# Altium PCB STM32G4_V1.PcbDoc
Units mil, origin at the board's own origin, x right, y up, seen from the top; angles counter-clockwise.
Board outline 2090 x 1925 mil, 2 copper layers (Top Layer, Bottom Layer), stack 5.6 mil thick; 53 components, 37 nets, 207 pads, 91 vias.
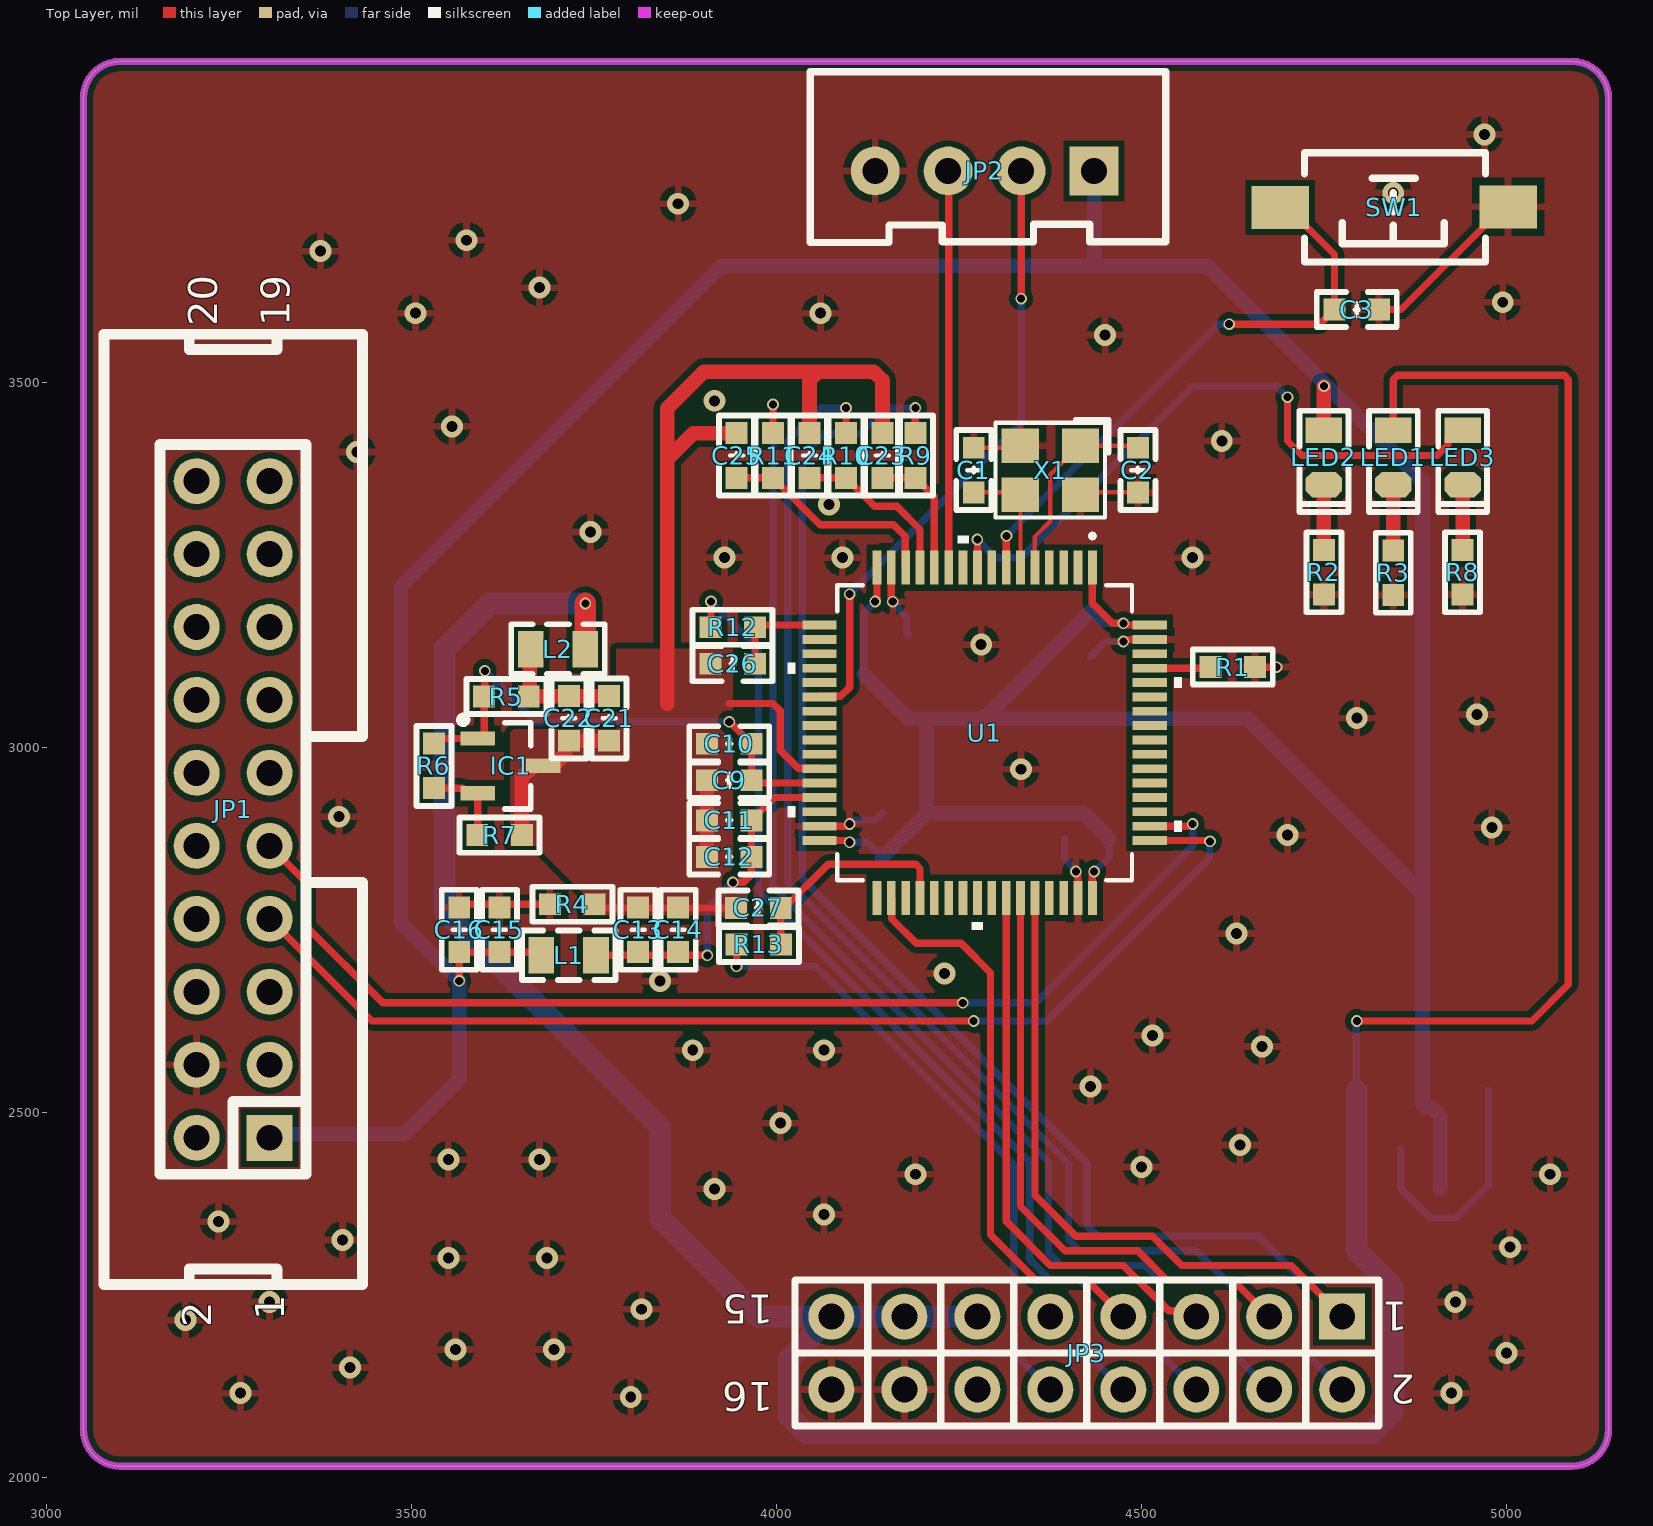
[diagram p0: Top Layer view]
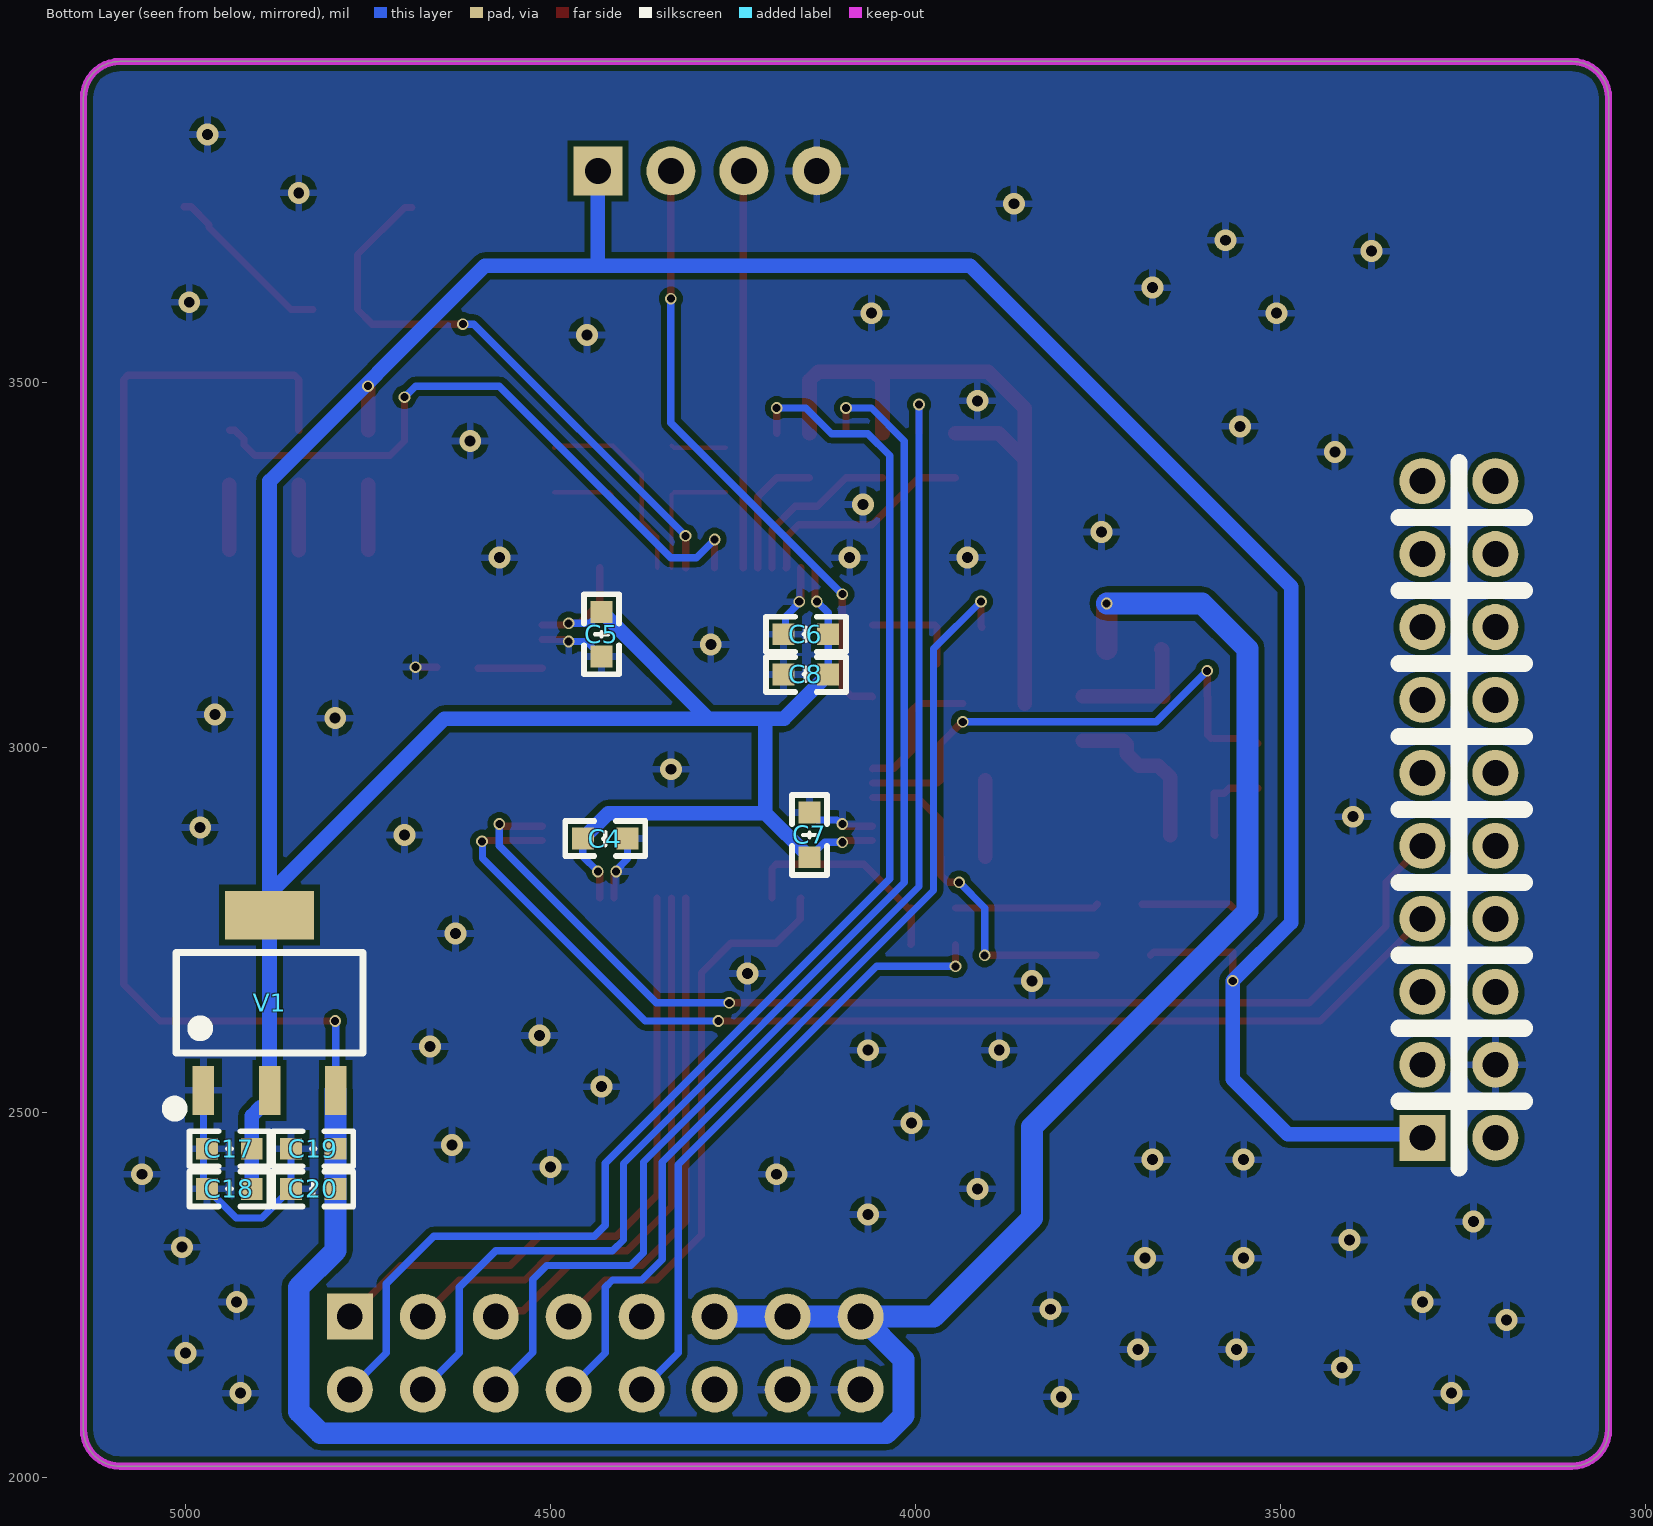
[diagram p1: Bottom Layer view, seen from below]

## Layer stack, top to bottom
Top Solder: solder mask 0.4, Solder Resist, Dk 3.5
Top Layer: signal copper 1.4
Dielectric 2: prepreg 2.8, PP-006, Dk 4.1
Bottom Layer: signal copper 1.4
Bottom Solder: solder mask 0.4, Solder Resist, Dk 3.5

## Board outline
3050,2065 3050,3890 cw(c3100,3890) 3100,3940 5090,3940 cw(c5090,3890) 5140,3890 5140,2065 cw(c5090,2065) 5090,2015 3100,2015 cw(c3100,2065)

## Design rules (kind name [scope] priority, off if disabled: settings)
Clearance [All] p1: gap=8 ignorepadtopadclearanceinfootprint=FALSE except(5: SMDPad-SMDPad)
ComponentClearance [All] p1: gap=0 collisioncheckmode=3 verticalgap=0 showdistances=FALSE
PlaneConnect PlaneConnect_1 [InNet('PGND') or  InNet('SW')] p1: planeconnectstyle=Direct reliefexpansion=20 reliefentries=4 reliefconductorwidth=10 reliefairgap=10
PlaneConnect [InNet('DGND')] p2: planeconnectstyle=Relief reliefexpansion=20 reliefentries=4 reliefconductorwidth=10 reliefairgap=10
PolygonConnect PolygonConnect_1 [InNet('DGND')] p1: connectstyle=Relief reliefconductorwidth=10 reliefentries=4 polygonreliefangle="90 Angle" airgapwidth=10
PolygonConnect [All] p2: connectstyle=Direct reliefconductorwidth=10 reliefentries=4 polygonreliefangle="90 Angle" airgapwidth=10
RoutingVias [All] p1: holewidth=10 width=20 viastyle="Through Hole" minholewidth=5 minwidth=10 maxholewidth=30 maxwidth=50
SolderMaskExpansion [All] p1: expansion=4 istentingtop=FALSE
Width [All] p1: maxlimit=50 minlimit=5 preferedwidth=10 minimp=50.000000 maximp=50.000000 favimp=50.000000
28 further rules are at their usual default settings.

## Components (designator, comment, footprint, x,y, rotation, side; value= is the part's Value field where it differs from the comment)
C1 "12p" "C 0603_L" 4270,3380 r270 top
C2 "12p" "C 0603_L" 4495,3380 r270 top
C3 "100n" "C 0603_L" 4795,3600 r0 top
C4 "100n" "C 0603_L" 4425,2875 r180 bottom
C5 "100n" "C 0603_L" 4430,3155 r270 bottom
C6 "100n" "C 0603_L" 4150,3155 r0 bottom
C7 "100n" "C 0603_L" 4145,2880 r90 bottom
C8 "4.7u" "C 0603_L" 4150,3100 r0 bottom
C9 "100n" "C 0603_L" 3935,2955 r180 top
C10 "1u" "C 0603_L" 3935,3005 r180 top
C11 "10n" "C 0603_L" 3935,2900 r180 top
C12 "1u" "C 0603_L" 3935,2850 r180 top
C13 "100n" "C 0603_L" 3810,2750 r90 top
C14 "1u" "C 0603_L" 3865,2750 r90 top
C15 "100n" "C 0603_L" 3620,2750 r90 top
C16 "1u" "C 0603_L" 3565,2750 r90 top
C17 "100n" "C 0603_L" 4940,2450 r0 bottom
C18 "1u" "C 0603_L" 4940,2395 r0 bottom
C19 "100n" "C 0603_L" 4825,2450 r0 bottom
C20 "1u" "C 0603_L" 4825,2395 r0 bottom
C21 "100n" "C 0603_L" 3770.3,3039.71 r270 top
C22 "1u" "C 0603_L" 3715.3,3039.7 r270 top
C23 "1u" "C 0603_L" 4145,3400 r90 top
C24 "1u" "C 0603_L" 4045,3400 r90 top
C25 "1u" "C 0603_L" 3945,3400 r90 top
C26 "1u" "C 0603_L" 3939.65,3114.66 r180 top
C27 "1u" "C 0603_L" 3975,2780 r180 top
IC1 "TL431" SOT23-3N 3635.3,2974.7 r270 top
JP1 "Header 2X10" IDC2.54-LI-2x10P 3305,2465 r90 top
JP2 "HDR-1X4" XH2.54-LI-4P 4285,3790 r180 top
JP3 "Header 8X2" HDR2.54-LI-2x8P 4425,2170 r180 top
L1 "600R@100MHZ/0805" "L 0805_L" 3715,2715 r0 top
L2 "600R@100MHZ/0805" "L 0805_L" 3700.3,3134.7 r180 top
LED1 "红色" "LED 0805G" 4845,3397.4 r270 top
LED2 "红色" "LED 0805G" 4750,3397.4 r270 top
LED3 "红色" "LED 0805G" 4940,3397.4 r270 top
R1 "10k" "R 0603_L" 4625,3110 r0 top
R2 "1K" "R 0603_L" 4750,3240 r90 top
R3 "1K" "R 0603_L" 4845,3239.41 r90 top
R4 "0" "R 0603_L" 3720,2785 r180 top
R5 "200" "R 0603_L" 3629.7,3069.7 r0 top
R6 "200" "R 0603_L" 3530.3,2974.7 r90 top
R7 "1K" "R 0603_L" 3620.3,2879.7 r180 top
R8 "1K" "R 0603_L" 4940,3240 r90 top
R9 "1K" "R 0603_L" 4190,3400 r90 top
R10 "1K" "R 0603_L" 4095,3400 r90 top
R11 "1K" "R 0603_L" 3995,3400 r90 top
R12 "1K" "R 0603_L" 3939.65,3164.66 r180 top
R13 "1K" "R 0603_L" 3975.59,2730 r180 top
SW1 "3x6x5" "TSW SMD-3*6*2.5" 4845,3740 r180 top
U1 "STM32G474RET6" LQFP64-10x10mm 4285,3020 r270 top
V1 "AMS1117-3V3" SOT223_L 4885,2650 r180 bottom
X1 "80M" "OSC 3225-4P" 4375,3380 r180 top

## Footprints (in the part's own frame and the unit in brackets; to place one, negate y for a bottom-side part, rotate by r counter-clockwise, add the part's x,y. Pads: shape width x height; smd on the part's side, far side on the other; paste and mask are expansions set on the pad)
"C 0603_L" [mil] "无极性贴片电容"
  rect 30x30 smd: 1(-30.59,0) 2(30.59,0)
  silkscreen extent -55,-24 55,24, body extent -31,-16 31,16, height 32
HDR2.54-LI-2x8P [mm] "双排排针，8x2脚"
  rect 1.6x1.6 hole 0.9: 1(-8.89,-1.27)
  round 1.6 hole 0.9: 2(-8.89,1.27) 3(-6.35,-1.27) 4(-6.35,1.27) 5(-3.81,-1.27) 6(-3.81,1.27) 7(-1.27,-1.27) 8(-1.27,1.27) 9(1.27,-1.27) 10(1.27,1.27) 11(3.81,-1.27) 12(3.81,1.27) 13(6.35,-1.27) 14(6.35,1.27) 15(8.89,-1.27) 16(8.89,1.27)
  silkscreen extent -10.16,-2.54 10.16,2.54, body extent -10.16,-2.54 10.16,2.54, height 8.5
IDC2.54-LI-2x10P [mm] "20P简易牛角座"
  rect 1.6x1.6 hole 0.9: 1(0,0)
  round 1.6 hole 0.9: 2(0,2.54) 3(2.54,0) 4(2.54,2.54) 5(5.08,0) 6(5.08,2.54) 7(7.62,0) 8(7.62,2.54) 9(10.16,0) 10(10.16,2.54) 11(12.7,0) 12(12.7,2.54) 13(15.24,0) 14(15.24,2.54) 15(17.78,0) 16(17.78,2.54) 17(20.32,0) 18(20.32,2.54) 19(22.86,0) 20(22.86,2.54)
  silkscreen extent -5.11,-3.23 27.97,5.77, body extent -5.08,-3.08 27.94,5.77, height 9.17
"L 0805_L" [mil] "小功率贴片电感"
  rect 35x50 smd: 1(-37.4,0) 2(37.4,0)
  silkscreen extent -64,-34 64,34, body extent -39,-24 39,24, height 35
"LED 0805G" [mil] "绿色0805LED"
  rect 35x50 smd: 1(-37.4,0)
  oct 35x50 smd: 2(37.4,0)
  silkscreen extent -64,-33 75,33, body extent -39,-25 39,25, height 32
LQFP64-10x10mm [mil]
  rect 47x12 smd paste+0 mask+0: 1(-226.38,147.64) 2(-226.38,127.95) 3(-226.38,108.27) 4(-226.38,88.58) 5(-226.38,68.9) 6(-226.38,49.21) 7(-226.38,29.53) 8(-226.38,9.84) 9(-226.38,-9.84) 10(-226.38,-29.53) 11(-226.38,-49.21) 12(-226.38,-68.9) 13(-226.38,-88.58) 14(-226.38,-108.27) 15(-226.38,-127.95) 16(-226.38,-147.64) 33(226.38,-147.64) 34(226.38,-127.95) 35(226.38,-108.27) 36(226.38,-88.58) 37(226.38,-68.9) 38(226.38,-49.21) 39(226.38,-29.53) 40(226.38,-9.84) 41(226.38,9.84) 42(226.38,29.53) 43(226.38,49.21) 44(226.38,68.9) 45(226.38,88.58) 46(226.38,108.27) 47(226.38,127.95) 48(226.38,147.64)
  rect 12x47 smd paste+0 mask+0: 17(-147.64,-226.38) 18(-127.95,-226.38) 19(-108.27,-226.38) 20(-88.58,-226.38) 21(-68.9,-226.38) 22(-49.21,-226.38) 23(-29.53,-226.38) 24(-9.84,-226.38) 25(9.84,-226.38) 26(29.53,-226.38) 27(49.21,-226.38) 28(68.9,-226.38) 29(88.58,-226.38) 30(108.27,-226.38) 31(127.95,-226.38) 32(147.64,-226.38) 49(147.64,226.38) 50(127.95,226.38) 51(108.27,226.38) 52(88.58,226.38) 53(68.9,226.38) 54(49.21,226.38) 55(29.53,226.38) 56(9.84,226.38) 57(-9.84,226.38) 58(-29.53,226.38) 59(-49.21,226.38) 60(-68.9,226.38) 61(-88.58,226.38) 62(-108.27,226.38) 63(-127.95,226.38) 64(-147.64,226.38)
  silkscreen extent -273,-270 270,270, body extent -236,-236 236,236, height 63
"OSC 3225-4P" [mm] "3.2*2.5*0.7mm(长宽高)"
  rect 1.3x1.2 smd: 1(-1.05,-0.85) 2(1.05,-0.85) 3(1.05,0.85) 4(-1.05,0.85)
  silkscreen extent -2.03,-1.75 1.91,1.65, body extent -1.6,-1.25 1.6,1.25, height 0.7
"R 0603_L" [mil] "1/10W贴片电阻"
  rect 30x30 smd: 1(-30.59,0) 2(30.59,0)
  silkscreen extent -55,-24 55,24, body extent -31,-16 32,16, height 16
SOT23-3N [mm] "3x1.3x1mm(长宽高)"
  rect 0.5x1.2 smd: 1(-0.95,-1.143) 2(0.95,-1.143) 3(0,1.143)
  silkscreen extent -1.72,-1.78 1.5,0.7, body extent -1.5,-1.2 1.5,1.2, height 1.05
SOT223_L [mm] "6.4x7x1.6mm(长宽高)"
  rect 0.75x1.7 smd: 1(-2.3,-3.048) 2(0,-3.048) 3(2.3,-3.048)
  rect 3.1x1.7 smd: 2(0,3.048)
  silkscreen extent -3.5,-3.88 3.25,1.75, body extent -3.25,-3.51 3.25,3.51, height 1.65
"TSW SMD-3*6*2.5" [mm] "3*6*2.5mm"
  rect 2x1.5 smd: 1(-3.996,-0.02) 2(3.937,0)
  silkscreen extent -3.21,-1.9 3.09,1.9, body extent -4,-1.88 4,1.62, height 2.59
XH2.54-LI-4P [mm] "接插件，4P"
  rect 1.7x1.7 hole 0.9: 1(-3.81,0)
  round 1.7 hole 0.9: 2(-1.27,0) 3(1.27,0) 4(3.81,0)
  silkscreen extent -6.3,-3.45 6.07,2.49, body extent -6.31,-3.3 6.31,2.4, height 7.03

## Part data
C1 C2 C3 C4 C5 C6 C7 C8 C9 C10 C11 C12 C13 C14 C15 C16 C17 C18 C19 C20 C21 C22 C23 C24 C25 C26 C27: library part C, "无极性贴片电容", BOM名称=无极性贴片电容, 学习资源=www.ooocke.com, 材质=X7R, 版权归属=源创客
IC1: library part TL431_SMD, "可调基准稳压芯片", BOM名称=可调基准稳压芯片, 学习资源=www.ooocke.com, 版权归属=源创客
JP1: library part "Header 10X2", "10*2P接插件", BOM名称=10*2P接插件, 学习资源=www.ooocke.com, 版权归属=源创客
JP2: library part "Header 4", "4P接插件", BOM名称=4P接插件, 学习资源=www.ooocke.com, 版权归属=源创客
JP3: "8*2P接插件", BOM名称=8*2P接插件, 学习资源=www.ooocke.com, 版权归属=源创客
L1 L2: library part L, "小功率贴片电感", BOM名称=小功率贴片电感, 学习资源=www.ooocke.com, 版权归属=源创客
LED1 LED2 LED3: library part LED-SMD, "贴片LED", BOM名称=贴片LED, 学习资源=www.ooocke.com, 版权归属=源创客
R1 R2 R3 R4 R5 R6 R7 R8 R9 R10 R11 R12 R13: library part R, "贴片电阻", BOM名称=贴片电阻, 学习资源=www.ooocke.com, 版权归属=源创客
SW1: library part "TSW 3x6", "3x6轻触开关", BOM名称=3x6轻触开关, 学习资源=www.ooocke.com, 版权归属=源创客
U1: "No Description Available", Mfr_Name=STMicroelectronics, RefDes=RefDes, Type=Type
V1: library part AMS1117, "三端稳压芯片", BOM名称=稳压芯片, 学习资源=www.ooocke.com, 版权归属=源创客
X1: library part XTAL-ACT-4P, "4脚有源晶振", BOM名称=4脚有源晶振, 学习资源=www.ooocke.com, 版权归属=源创客

## Via types
v1: diameter 30, hole 15, Top Layer to Bottom Layer, 59 vias
v2: diameter 16, hole 11, Top Layer to Bottom Layer, 32 vias

## Nets (pads, with @x,y where several pads share a name; then routed paths per layer and width w, separated by ;. In a path a pad name is that pad's centre, name@x,y a point inside that pad or via, vN(x,y) a via of type N, cw(c..) or ccw(c..) an arc to the next point about the centre after c; other vN are vias at no path point)
ADC1_IN1: JP3.2 R9.2 | length 1931.7
  Top Layer w10: R9.2 v2(4190,3465)
  Bottom Layer w10: v2(4190,3465) 4150,3465 4115,3430 4065,3430 4035,3400 4035,2820.15 4425,2430.15 4425,2345 4440,2330 4660,2330 4725,2265 4725,2170 JP3.2
ADC1_IN1_F: C23.1 R9.1 U1.12 | length 179.2
  Top Layer w10: C23.1 R9.1 4216.1,3343.31 U1.12 U1.12@4215.85,3246.63
ADC1_IN2: JP3.4 R10.2 | length 1800.2
  Top Layer w10: R10.2 4095,3460 v2(4095,3465)
  Bottom Layer w10: v2(4095,3465) 4060,3465 4015,3420 4015,2814.7 4400,2429.7 4400,2325 4415,2310 4575,2310 4625,2260 4625,2170 JP3.4
ADC1_IN2_F: C24.1 R10.1 U1.13 | length 233
  Top Layer w10: C24.1 R10.1 4134.13,3330.28 4164.72,3330.28 4196.42,3298.58 U1.13
ADC1_IN3: JP3.6 R11.2 | length 1697
  Top Layer w10: R11.2 v2(3995,3470)
  Bottom Layer w10: v2(3995,3470) 3995,2809.24 4372.5,2431.74 4372.5,2307.5 4390,2290 4505,2290 4524.34,2270.66 4524.34,2170.66 JP3.6
ADC1_IN3_F: C25.1 R11.1 U1.14 | length 307.2
  Top Layer w10: C25.1 R11.1 4059.41,3305 4160,3305 4176.05,3288.95 4176.05,3247.06 U1.14
ADC1_IN4: JP3.8 R12.2 | length 1373.2
  Top Layer w10: R12.2 3910,3165.6 v2(3910,3200)
  Bottom Layer w10: v2(3910,3200) 3975,3135 3975,2803.79 4346.89,2431.89 4346.89,2298.11 4375,2270 4415,2270 4425,2260 4425,2170 JP3.8
ADC1_IN4_F: C26.1 R12.1 U1.17 | length 139.6
  Top Layer w10: C26.1 R12.1 3973.21,3167.64 U1.17
ADC1_IN5: JP3.10 R13.2 | length 851.6
  Top Layer w10: v2(3945,2700) R13.2
  Bottom Layer w10: v2(3945,2700) 4053.33,2700 4325,2428.33 4325,2170 JP3.10
ADC1_IN5_F: C27.1 R13.1 U1.36 | length 307.4
  Top Layer w10: C27.1 4005.59,2730.59 R13.1 ; C27.1@4008.09,2777.5 4070.59,2840 4190.56,2840 4196.42,2834.14 U1.36
ADC1_IN6: JP3.12
ADC1_IN6_F: U1.8
AGND: C9.2 C10.2 C11.2 C12.2 C13.2 C14.2 C21.2 C22.2 C23.2 C24.2 C25.2 C26.2 C27.2 IC1.3 R4.1 R7.1 U1.27 | length 1717.1
  Top Layer w10: R4.1 3755.59,2780 C27.2 ; 3935,3060 3995,3060 4005,3050 4005,2996.21 4029.74,2971.47 4057.94,2971.47 U1.27
  Top Layer w20: R7.1 3650.89,2958.76 3666.83,2974.7 IC1.3 3693.76,2974.7 3710.3,2991.24 3710.3,3004.11 C22.2 C21.2 ; 3850,3060 3850,3395 ; C12.2 C11.2 C9.2 ; C25.2 3885.59,3430.59 3850,3395 ; C24.2 4045,3503.28 4056.72,3515 ; C23.2 4145,3503.28 4133.28,3515 4056.72,3515 ; 3850,3395 3850,3465 3900,3515 4056.72,3515
DGND: C1.1 C2.2 C3.2 C4.2 C5.2 C6.2 C7.2 C8.2 C15.2 C16.2 C17.2 C18.2 C19.2 C20.2 JP1.4 JP2.4 JP3.14 JP3.16 R1.2 R2.1 R3.1 R4.2 R8.1 SW1.1 U1.15 U1.31 U1.47 U1.63 V1.1 X1.2 X1.4 | length 1263.2
  Top Layer w6: C1.1@4260,3410.59 4330.79,3410.59 X1.2 ; X1.4 4419.21,3349.41 C2.2
  Top Layer w10: C16.2 3569.41,2785 R4.2 ; U1.31 4097.05,2892.05 v2(4100,2895) ; U1.15 4157.05,3203.33 4159.09,3201.29 v2(4159.09,3199.66) ; v2(4410,2830) 4412.95,2827.05 U1.47 ; v2(4475,3145) 4477.95,3147.95 U1.63 ; R1.2 v2(4685,3110) ; C3.2 4855.59,3600 4967.94,3712.35 4967.94,3716.26 4992.47,3740.79 SW1.1
  Bottom Layer w10: v2(4100,2895) 4101.62,2895 4107.21,2900.59 4135,2900.59 C7.2 ; v2(4159.09,3199.66) 4159.09,3198.04 4177.98,3179.14 4177.98,3157.61 C6.2 ; C4.2 4394.41,2847.21 4410,2831.62 v2(4410,2830) ; C5.2 4450.59,3145 v2(4475,3145) ; C19.2 C20.2 4895.59,2355 4930.59,2355 C18.2 4975.55,2399.96 V1.1
  other v1: 3800,2110 3265,2115 4925,2115 3415,2150 5000,2170 3560,2175 3695,2175 3190,2215 3815,2230 3305,2240 4930,2240 3550,2300 3685,2300 5005,2315 3405,2325 3235,2350 4065,2360 3915,2395 4190,2415 5060,2415 4500,2425 3550,2435 3675,2435 4635,2455 4005,2485 4430,2535 3885,2585 4065,2585 4665,2590 4515,2605 3840,2680 4230,2690 4630,2745 4700,2880 4980,2890 3400,2905 4335,2970 4795,3040 4960,3045 4280.3,3141.1 3928.53,3260.13 4090,3260 4570,3260 3745,3295 4071.6,3333 3425,3405 4610,3420 3555,3440 3915,3475 4450,3565 3505,3595 4060,3595 4995,3610 3675,3630 3375,3680 3575,3695 3865,3745 4845,3760 4970,3840
HRTIM1_CHA1: JP3.5 U1.42 | length 757.7
  Top Layer w10: U1.42 4314.53,2350.47 4375,2290 4475,2290 4537.12,2227.88 4567.12,2227.88 JP3.5
HRTIM1_CHA2: JP3.3 U1.43 | length 826.1
  Top Layer w10: U1.43 4334.21,2370.79 4395,2310 4495,2310 4535,2270 4625,2270 JP3.3
HRTIM1_CHB1: JP3.1 U1.44 | length 897.4
  Top Layer w10: U1.44 4353.9,2386.1 4410,2330 4515,2330 4555,2290 4705,2290 JP3.1
HRTIM1_CHC1: JP3.7 U1.34 | length 782.5
  Top Layer w10: U1.34 4157.73,2792.94 4157.73,2764.74 4191.07,2731.4 4252.74,2731.4 4293,2691.14 4293,2332 4355,2270 4425,2270 JP3.7
LED1: LED3.1 U1.9 | length 904.7
  Top Layer w10: v2(4275,3285) 4275.16,3284.84 U1.9 ; v2(4700,3480) 4700,3420 4720,3400 4905.19,3400 4920,3414.8 4920,3422.3 4932.5,3434.8 LED3.1
  Bottom Layer w10: v2(4275,3285) 4300,3260 4335,3260 4570,3495 4685,3495 v2(4700,3480)
LED2: U1.10
NetIC1_2: IC1.2 R6.1 R7.2 | length 120.7
  Top Layer w10: R6.1 3569.7,2944.11 3576.52,2937.3 IC1.2 3590.3,2880.3 R7.2
NetLED1_2: LED1.2 R3.2 | length 90
  Top Layer w20: R3.2 LED1.2
NetLED2_2: LED2.2 R2.2 | length 89.4
  Top Layer w20: R2.2 LED2.2
NetLED3_2: LED3.2 R8.2 | length 89.4
  Top Layer w20: R8.2 LED3.2
NetR1_1: R1.1 U1.61 | length 88
  Top Layer w10: U1.61 R1.1@4599.41,3108.58
NRST: C3.1 SW1.2 U1.7 | length 798.2
  Top Layer w10: U1.7 4314.53,3289.53 v2(4315,3290) ; v2(4620,3580) 4744.41,3580 C3.1 4764.41,3675.43 4699.84,3740 SW1.2
  Bottom Layer w10: v2(4315,3290) 4605,3580 v2(4620,3580)
OSC_IN: C2.1 U1.5 X1.1 | length 274
  Top Layer w6: U1.5 4353.9,3288.9 4374.82,3309.82 4374.82,3373.92 4414.37,3413.46 X1.1 4492.13,3413.46 C2.1
OSC_OUT: C1.2 U1.6 X1.3 | length 175.2
  Top Layer w6: C1.2@4260,3349.41 4330.79,3349.41 X1.3 4334.21,3345.98 U1.6
SWCLK: JP1.9 U1.50 | length 1568.1
  Top Layer w10: JP1.9 3355,2815 3355,2755 3460,2650 v2(4255,2650) ; U1.50 4565.42,2892.05 4568.38,2895 v2(4570,2895)
  Bottom Layer w10: v2(4255,2650) 4355,2650 4570,2865 v2(4570,2895)
SWDIO: JP1.7 U1.49 | length 1544.8
  Top Layer w10: JP1.7 3445,2625 v2(4270,2625) ; U1.49 4588.4,2872.36 4589.61,2871.15 v2(4593.85,2871.15)
  Bottom Layer w10: v2(4270,2625) 4370,2625 4593.15,2848.15 4593.15,2870.44 v2(4593.85,2871.15)
USART1_RX: JP2.2 U1.22 | length 851.8
  Top Layer w10: U1.22 4059.31,3069.9 4087.51,3069.9 4100,3082.39 v2(4100,3210) ; v2(4335,3615) JP2.2
  Bottom Layer w10: v2(4100,3210) 4335,3445 v2(4335,3615)
USART1_TX: JP2.3 U1.11 | length 543.9
  Top Layer w10: JP2.3 4235.79,3789.21 U1.11
VCC_3V3: C4.1 C5.1 C6.1 C7.1 C8.1 C15.1 C16.1 C17.1 C18.1 JP1.1 JP2.1 L1.1 LED2.1 U1.1 U1.16 U1.32 U1.48 U1.64 V1.2 | length 6142.8
  Top Layer w10: v2(3565,2680) C16.1 C15.1 3673.18,2719.41 L1.1 ; U1.32 4097.64,2872.36 v2(4100,2870) ; v2(4135,3200) 4135,3201.62 4137.36,3203.99 U1.16 ; U1.48 4432.64,2827.64 v2(4435,2830) ; U1.1 4432.64,3197.36 4460,3170 v2(4475,3170) 4477.36,3167.64 U1.64
  Top Layer w20: LED2.1 v2(4750,3495)
  Bottom Layer w10: v2(4100,2870) 4124.41,2870 C7.1 ; C8.1 C6.1 4119.41,3184.41 v2(4135,3200) ; C5.1 4445.59,3170 v2(4475,3170) ; v2(4435,2830) 4455.59,2850.59 C4.1
  Bottom Layer w20: JP1.1 3309.78,2469.78 3489.78,2469.78 3565,2545 v2(3565,2680) 3485,2760 3485,3220 3925,3660 4435,3660 ; C8.1 4180,3039.41 4205.59,3039.41 ; C7.1 4205.59,2910 ; C5.1 4283.82,3039.41 ; JP2.1 4435,3660 ; C4.1 4420.59,2910 4205.59,2910 ; C18.1 C17.1 4909.41,2494.82 4897.69,2506.54 4889.76,2506.54 4885,2511.3 4885,2530 4885,2770 V1.2@4885,2800 ; 4205.59,2910 4205.59,3039.41 ; 4205.59,3039.41 4283.82,3039.41 ; 4283.82,3039.41 4645.59,3039.41 V1.2@4885,2800 ; 4435,3660 4590,3660 4885,3365 V1.2@4885,2800
VCC_3V3A: C11.1 C12.1 C13.1 C14.1 L1.2 U1.29 | length 477.5
  Top Layer w10: L1.2 v2(3905,2715) ; v2(3940,2815) 3955,2815 3965,2825 3965,2849.41 C12.1 C11.1 3997.01,2931.42 U1.29
  Bottom Layer w10: v2(3905,2715) 3905,2780 v2(3940,2815)
VCC_3VR: C9.1 C10.1 IC1.1 R5.1 R6.2 U1.28 | length 709.7
  Top Layer w10: R6.2 3537.11,3012.11 IC1.1 ; IC1.1@3594.27,3012.11 3599.11,3016.95 R5.1 3600,3070.59 v2(3600,3105) ; v2(3935,3035) 3935.59,3035 C10.1 C9.1 3969.49,2951.1 U1.28
  Bottom Layer w10: v2(3600,3105) 3670,3035 v2(3935,3035)
VCC_5V: C19.1 C20.1 JP3.11 JP3.13 JP3.15 L2.1 LED1.1 V1.3 | length 4696.2
  Top Layer w10: v2(4795,2625) 5035,2625 5085,2675 5085,3504.14 5079.14,3510 4850.86,3510 4845,3504.14 LED1.1
  Top Layer w30: L2.1 v2(3737.7,3197.3)
  Bottom Layer w10: V1.3 4794.45,2624.45 v2(4795,2625)
  Bottom Layer w30: v2(3737.7,3197.3) 3607.3,3197.3 3545,3135 3545,2775 3840,2480 3840,2355 3975,2220 JP3.15 ; JP3.11 JP3.13 JP3.15 ; V1.3 V1.3 C20.1 4794.41,2310.59 4845,2260 4845,2090 4815,2060 4040,2060 4016.01,2083.99 4016.01,2161.01 JP3.15
VCC_5VA: C21.1 C22.1 L2.2 R5.2 | length 175.9
  Top Layer w20: R5.2 R5.2@3660.59,3070 ; L2.2 3661.6,3133.41 3661.6,3071.01 R5.2@3660.59,3070 ; C21.1 3770,3070 R5.2@3660.59,3070
pads on no net: JP1.2 JP1.3 JP1.5 JP1.6 JP1.8 JP1.10 JP1.11 JP1.12 JP1.13 JP1.14 JP1.15 JP1.16 JP1.17 JP1.18 JP1.19 JP1.20 JP3.9 U1.2 U1.3 U1.4 U1.18 U1.19 U1.20 U1.21 U1.23 U1.24 U1.25 U1.26 U1.30 U1.33 U1.35 U1.37 U1.38 U1.39 U1.40 U1.41 U1.45 U1.46 U1.51 U1.52 U1.53 U1.54 U1.55 U1.56 U1.57 U1.58 U1.59 U1.60 U1.62

## Polygon pours and split planes (outlines as drawn)
DGND on Top Layer "NONET_L-01_P-001" (solid, pour order 3): 3042.69,3949.34 5142.69,3949.34 5142.69,2039.34 5122.69,2019.34 3042.69,2019.34
AGND on Top Layer "NONET_L-01_P-001" (solid, pour order 1): 3780,3025 3890,3135 3780,3135
AGND on Top Layer "NONET_L-01_P-001" (solid, pour order 0): 3635,2865 3670,2865 3735,2800 3735,2770 3925,2770 3930,2765 3960,2765 3960,2805 3935,2830 3940,2835 3940,3135 3890,3135 3780,3025 3640,3025 3635,3020
DGND on Bottom Layer "NONET_L-01_P-001" (solid, pour order 2): 3045,3950 5145,3950 5145,2040 5125,2020 3045,2020

## Keep-outs
Keep-Out Layer:
  the board outline again, w10

## Silkscreen, mask and mechanical layers (free items; w line width, h text height)
Bottom Solder:

## Text inside footprints (layer, text, board x,y; h text height)
JP1: Top Overlay "19" at 3333,3577 h40 r90; Top Overlay "20" at 3233,3577 h40 r90; Top Overlay "1" at 3325,2215 h40 r90; Top Overlay "2" at 3225,2205 h40 r90
JP3: Top Overlay "15" at 3995,2250 h40 r180; Top Overlay "16" at 3995,2130 h40 r180; Top Overlay "1" at 4865,2240 h40 r180; Top Overlay "2" at 4875,2140 h40 r180